# Altium PCB MINI-STM32.PcbDoc
Units mil, origin at the board's own origin, x right, y up, seen from the top; angles counter-clockwise.
Board outline 3690.03 x 4351.02 mil, 2 copper layers (Top Layer, Bottom Layer); 15 components, 64 nets, 193 pads, 0 vias.
Unrouted connection lines stored in the file: 118.
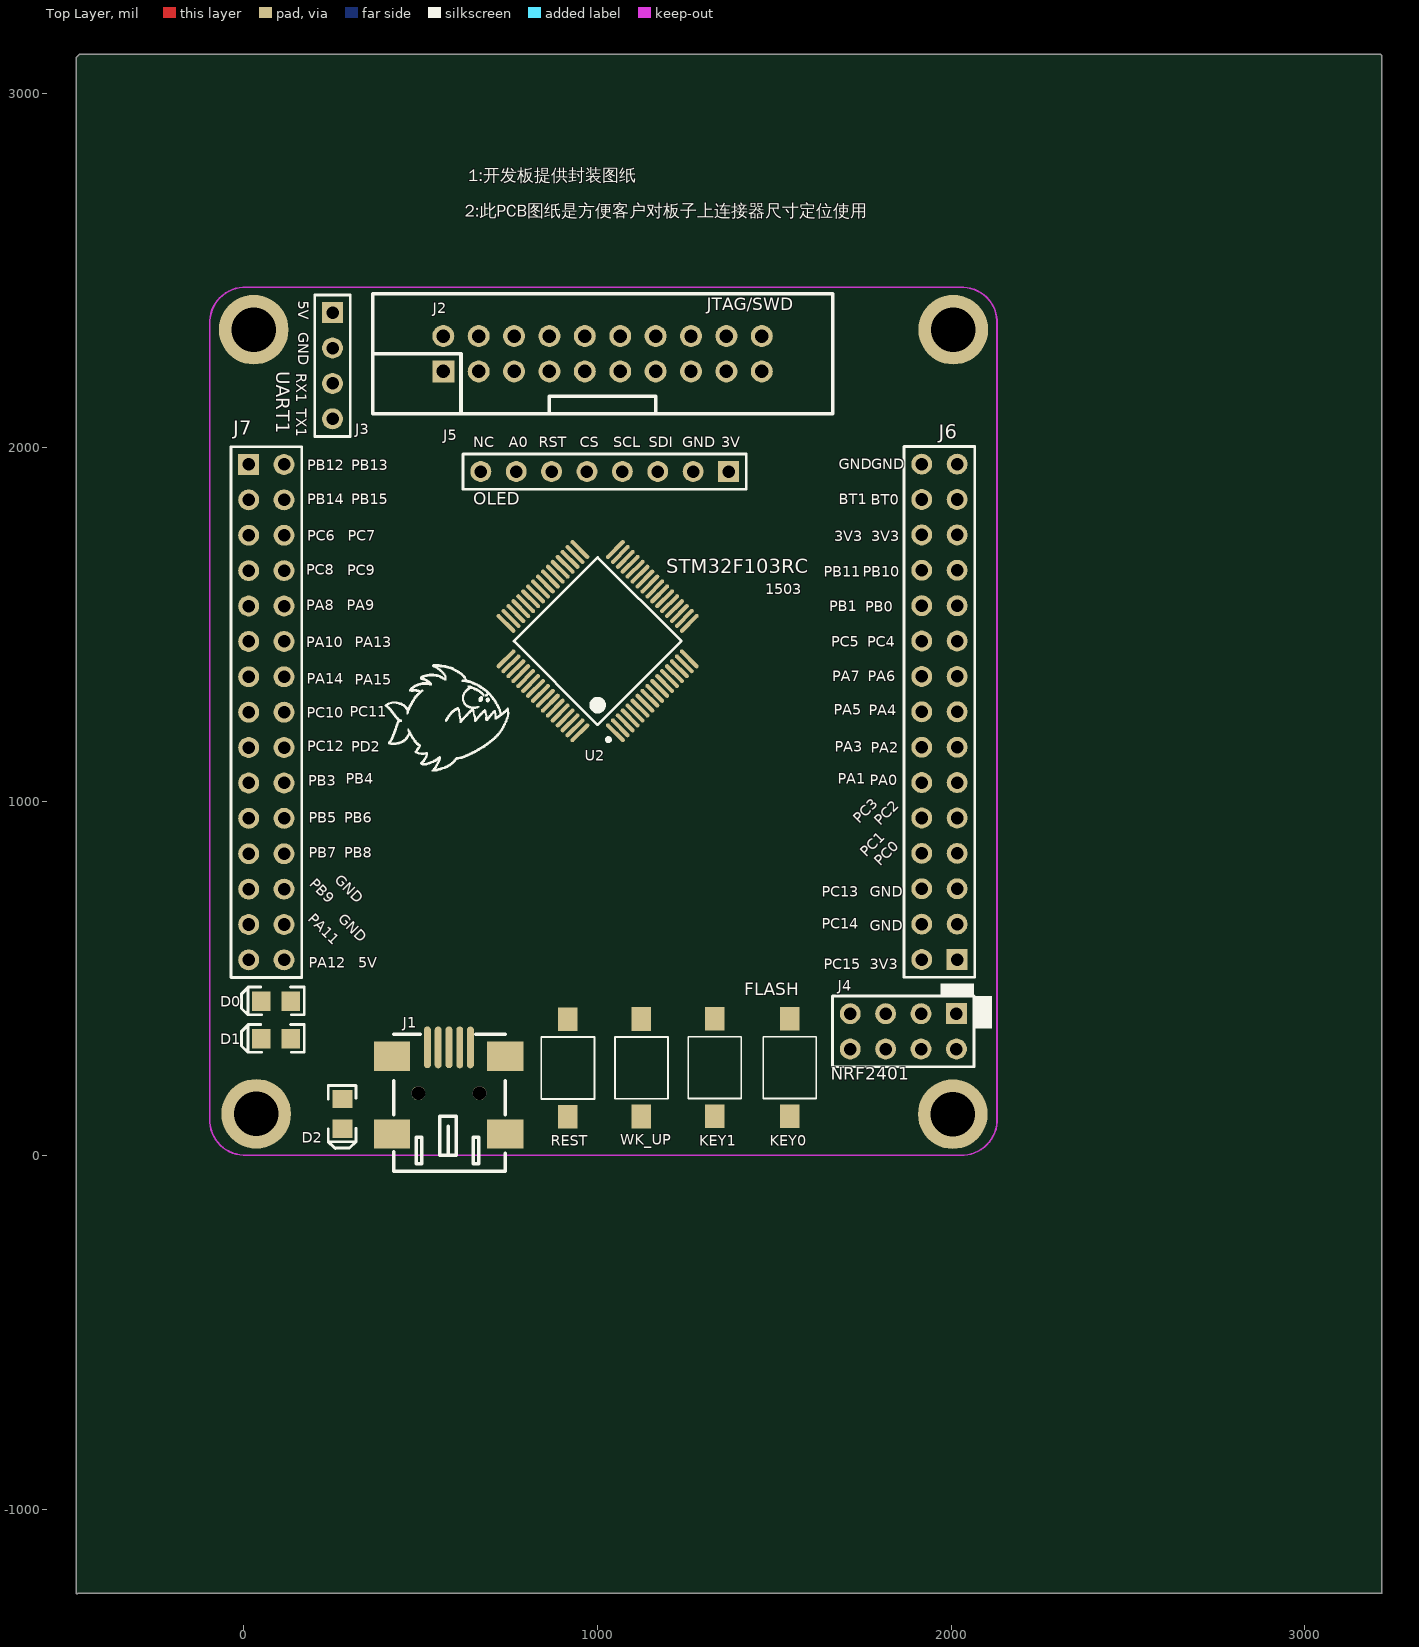
[diagram p0: Top Layer view]
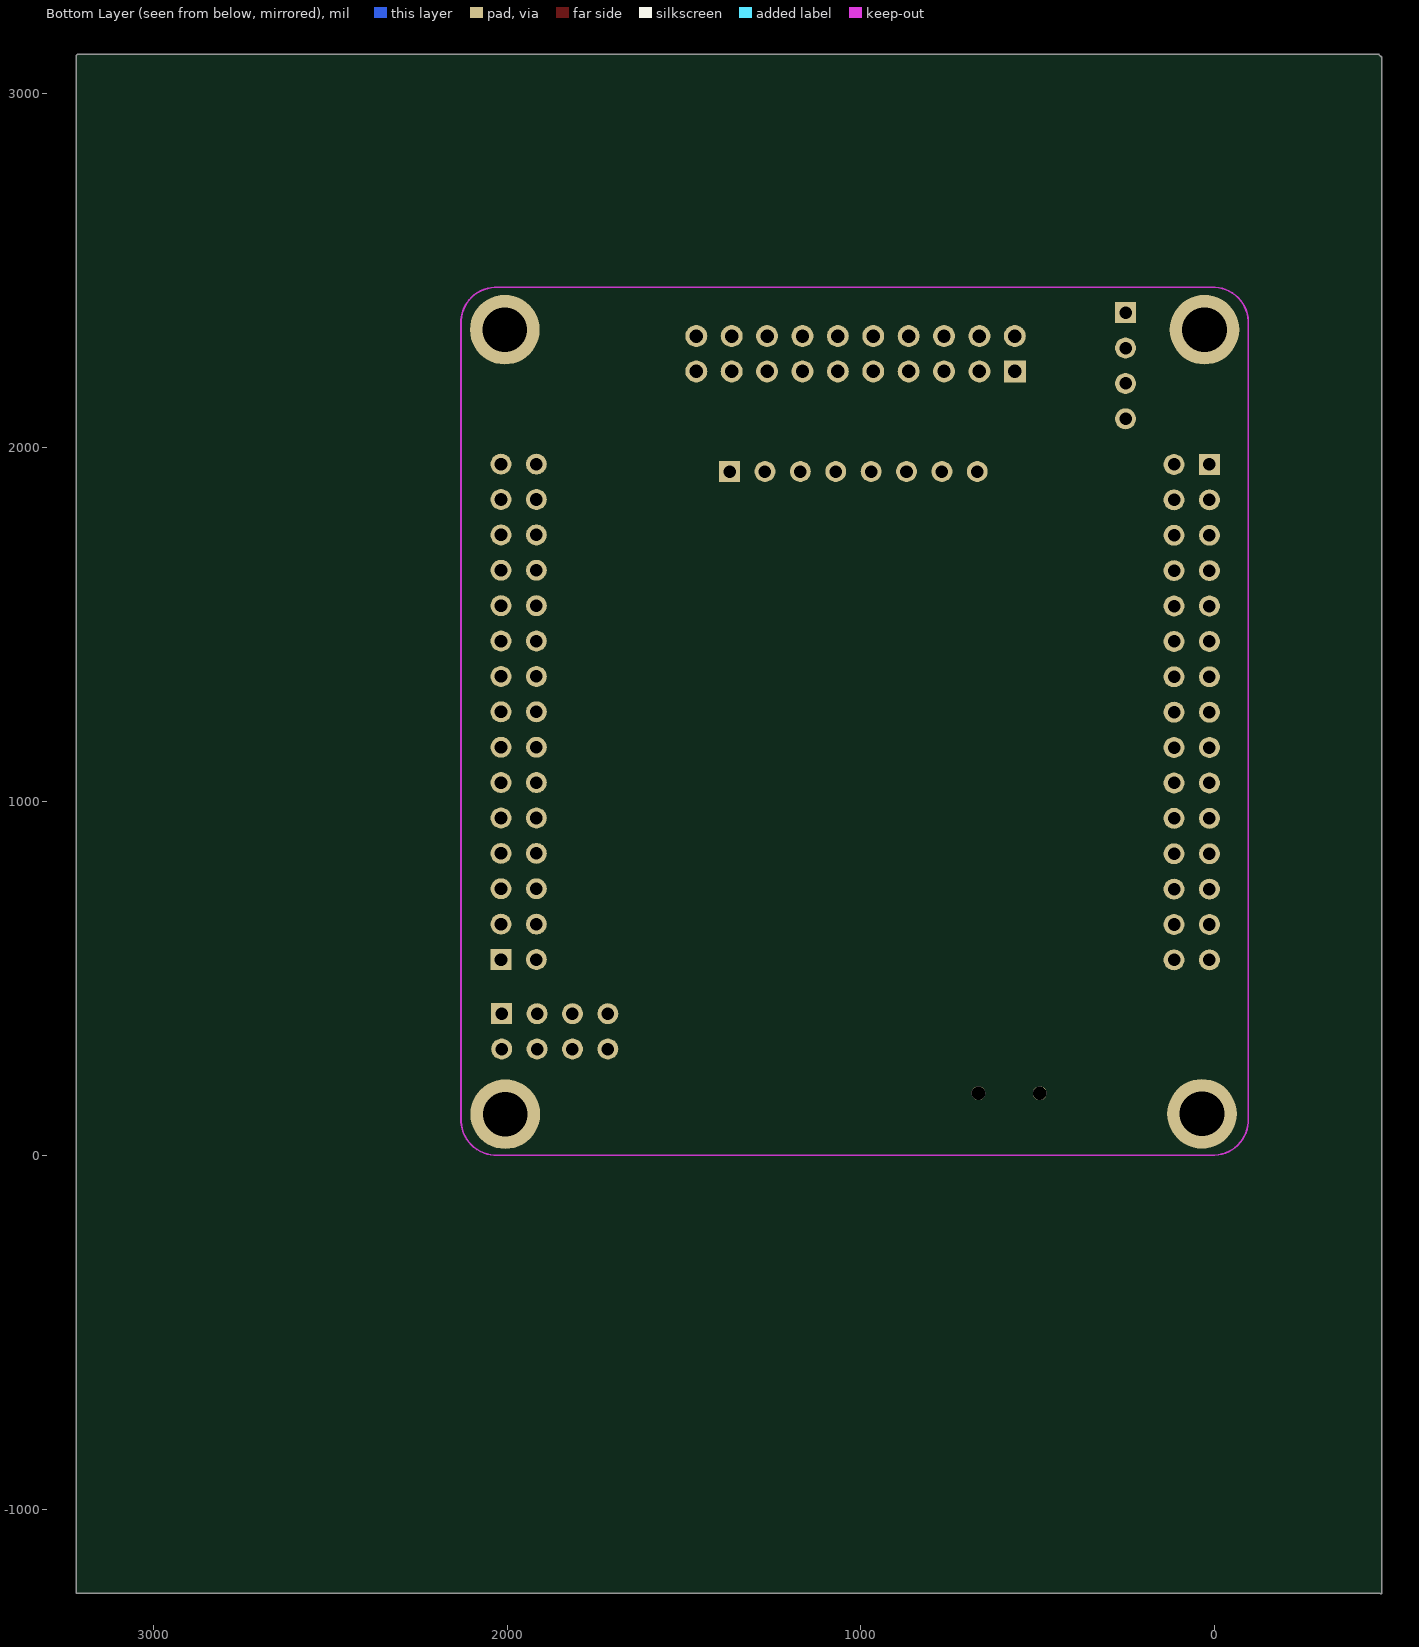
[diagram p1: Bottom Layer view, seen from below]

## Layer stack, top to bottom
Top Solder: solder mask 0.4, Solder Resist, Dk 3.5
Top Layer: signal copper 1.4
Dielectric1: core 12.6, FR-4, Dk 4.8
Bottom Layer: signal copper 1.4
Bottom Solder: solder mask 0.4, Solder Resist, Dk 3.5

## Board outline
-472.52,-1237 -472.52,3101 cw(c-470,3101) -471.78,3102.78 -463.78,3110.78 cw(c-462,3109) -462,3111.52 3212,3111.52 cw(c3212,3109) 3213.78,3110.78 3216.78,3107.78 cw(c3215,3106) 3217.51,3106 3217.51,-1236 cw(c3215,-1236) 3215,-1238.51 -467.99,-1238.51 cw(c-470,-1237)

## Design rules (kind name [scope] priority, off if disabled: settings)
Clearance [All] p1: gap=16
ComponentClearance [All] p1: gap=1 collisioncheckmode=3 verticalgap=1 showdistances=FALSE
FabricationTestpoint [(IsPad And (OnTopLayer Or OnBottomLayer))] p1: side=3 testpointundercomponent=TRUE minsize=40 maxsize=100 preferedsize=60 minholesize=0 maxholesize=40 preferedholesize=32 testpointgrid=1 allowsidetop=TRUE allowsidebottom=TRUE usegrid=TRUE gridtolerance=0.01
MinimumSolderMaskSliver [All] p1: minsoldermaskwidth=1
PlaneConnect [All] p1: planeconnectstyle=Relief reliefexpansion=10 reliefentries=4 reliefconductorwidth=10 reliefairgap=10
PolygonConnect PolygonConnect_1 [(InPadClass('All Pads'))] p1: connectstyle=Relief reliefconductorwidth=10 reliefentries=4 polygonreliefangle="90 Angle" airgapwidth=10
PolygonConnect [All] p2: connectstyle=Direct reliefconductorwidth=10 reliefentries=4 polygonreliefangle="90 Angle" airgapwidth=10
RoutingVias [All] p1: holewidth=12 width=24 viastyle="Through Hole" minholewidth=12 minwidth=24 maxholewidth=12 maxwidth=24
SilkToSilkClearance [All] p1: silktosilkclearance=1
SilkToSolderMaskClearance SilkscreenOverComponentPads [IsPad] p1: minsilkscreentomaskgap=1 clearancetoexposedcopper=TRUE
SolderMaskExpansion [All] p1: expansion=4
UnpouredPolygon [All] p1: allowunpoured=FALSE
Width [All] p1: maxlimit=40 minlimit=8 preferedwidth=8 minimp=50.000000 maximp=50.000000 favimp=50.000000
23 further rules are at their usual default settings.

## Components (designator, comment, footprint, x,y, rotation, side; value= is the part's Value field where it differs from the comment)
D0 "DS0" LED0805 50,440 r180 top
D1 "DS1" LED0805 50.07,334 r180 top
D2 "PWR" LED0805 275,75 r270 top
J1 "usb" mini_USB 520,305 r180 top (schematic designator USB)
J2 "10X2H" IDC20 565,2215 r0 top (schematic designator JTAG)
J3 "Header 4" HDR1X4 252,2381 r270 top (schematic designator P5)
J4 "NRF2401" HDR2X4 2015,400 r180 top (schematic designator U3)
J5 "OLED" HDR1X8 1371,1932 r180 top (schematic designator U4)
J6 "Header 15X2" IDE15X2_2.54 2017,553 r90 top
J7 "Header 15X2" IDE15X2_2.54 15,1952 r270 top
KEY0 "SW-PB" SW-SPST 1544,110 r90 top
KEY1 "SW-PB" SW-SPST 1332,110 r90 top
REST "" SW-SPST 917,384 r270 top
U2 "STM32F103RCT6" LQFP64 1051.17,1193.9 r135 top (schematic designator U1)
WK_UP "WK_UP" SW-SPST 1125,109.41 r90 top

## Footprints (in the part's own frame and the unit in brackets; to place one, negate y for a bottom-side part, rotate by r counter-clockwise, add the part's x,y. Pads: shape width x height; smd on the part's side, far side on the other; paste and mask are expansions set on the pad)
HDR1X4 [mm] "Connector; Header; 4 Position"
  rect 1.5x1.5 hole 0.9: 1(0,0)
  round 1.5 hole 0.9: 2(2.54,0) 3(5.08,0) 4(7.62,0)
  silkscreen extent -1.27,-1.27 8.89,1.27
HDR1X8 [mm] "Connector; Header; 8 Position"
  rect 1.5x1.5 hole 0.9: 1(0,0)
  round 1.5 hole 0.9: 2(2.54,0) 3(5.08,0) 4(7.62,0) 5(10.16,0) 6(12.7,0) 7(15.24,0) 8(17.78,0)
  silkscreen extent -1.27,-1.27 19.05,1.27
HDR2X4 [mm] "Connector; Header; 4x2 Position"
  rect 1.5x1.5 hole 0.9: 1(0,0)
  round 1.5 hole 0.9: 2(0,2.54) 3(2.54,0) 4(2.54,2.54) 5(5.08,0) 6(5.08,2.54) 7(7.62,0) 8(7.62,2.54)
  silkscreen extent -1.27,-1.27 8.89,3.81
IDC20 [mil]
  rect 62x62 hole 38: 1(0,0)
  round 62 hole 38: 2(0,100) 3(100,0) 4(100,100) 5(200,0) 6(200,100) 7(300,0) 8(300,100) 9(400,0) 10(400,100) 11(500,0) 12(500,100) 13(600,0) 14(600,100) 15(700,0) 16(700,100) 17(800,0) 18(800,100) 19(900,0) 20(900,100)
  silkscreen extent -200,-120 1100,220
IDE15X2_2.54 [mm]
  rect 1.5x1.5 hole 0.9: 1(0,0)
  round 1.5 hole 0.9: 2(0,2.54) 3(2.54,0) 4(2.54,2.54) 5(5.08,0) 6(5.08,2.54) 7(7.62,0) 8(7.62,2.54) 9(10.16,0) 10(10.16,2.54) 11(12.7,0) 12(12.7,2.54) 13(15.24,0) 14(15.24,2.54) 15(17.78,0) 16(17.78,2.54) 17(20.32,0) 18(20.32,2.54) 19(22.86,0) 20(22.86,2.54) 21(25.4,0) 22(25.4,2.54) 23(27.94,0) 24(27.94,2.54) 25(30.48,0) 26(30.48,2.54) 27(33.02,0) 28(33.02,2.54) 29(35.56,0) 30(35.56,2.54)
  silkscreen extent -1.27,-1.27 36.83,3.81
LED0805 [mil]
  rect 52x56 smd: 1(-84,5) 2(0,5)
  silkscreen extent -122,-35 56,43
LQFP64 [mm] "SOT-223/SC-73; 4 Leads; Body 6.7 x 7.3 mm, inc. leads (LxW max)"
  oval 1.8x0.3 smd: 1(0,0) 2(0,-0.5) 3(0,-1) 4(0,-1.5) 5(0,-2) 6(0,-2.5) 7(0,-3) 8(0,-3.5) 9(0,-4) 10(0,-4.5) 11(0,-5) 12(0,-5.5) 13(0,-6) 14(0,-6.5) 15(0,-7) 16(0,-7.5) 33(11.1,-7.5) 34(11.1,-7) 35(11.1,-6.5) 36(11.1,-6) 37(11.1,-5.5) 38(11.1,-5) 39(11.1,-4.5) 40(11.1,-4) 41(11.1,-3.5) 42(11.1,-3) 43(11.1,-2.5) 44(11.1,-2) 45(11.1,-1.5) 46(11.1,-1) 47(11.1,-0.5) 48(11.1,0)
  oval 0.3x1.8 smd: 17(1.8,-9.3) 18(2.3,-9.3) 19(2.8,-9.3) 20(3.3,-9.3) 21(3.8,-9.3) 22(4.3,-9.3) 23(4.8,-9.3) 24(5.3,-9.3) 25(5.8,-9.3) 26(6.3,-9.3) 27(6.8,-9.3) 28(7.3,-9.3) 29(7.8,-9.3) 30(8.3,-9.3) 31(8.8,-9.3) 32(9.3,-9.3) 49(9.3,1.8) 50(8.8,1.8) 51(8.3,1.8) 52(7.8,1.8) 53(7.3,1.8) 54(6.8,1.8) 55(6.3,1.8) 56(5.8,1.8) 57(5.3,1.8) 58(4.8,1.8) 59(4.3,1.8) 60(3.8,1.8) 61(3.3,1.8) 62(2.8,1.8) 63(2.3,1.8) 64(1.8,1.8)
  silkscreen extent -0.12,-8 9.8,0.82, body extent 0.55,-8.75 10.55,1.25, height 1.6
mini_USB [mm]
  oval 0.5x3 smd: 1(0,0) 2(-0.775,0.009) 3(-1.549,0) 4(-2.324,0.009) 5(-3.086,0.009)
  rect 2.6x2.1 smd: ""(-5.588,6.223) ""(-5.588,0.635) ""(2.54,6.223) ""(2.54,0.635)
  round 1 hole 1: ""(-3.749,3.299) ""(0.651,3.299)
  silkscreen extent -5.59,-0.94 2.41,8.89
SW-SPST [mm]
  rect 1.7x1.4 smd: 1(0,0) 2(7,0)
  silkscreen extent 1.27,-1.91 5.71,1.91

## Part data
D0 D1 D2: library part LED
J2: library part "Header 10X2H", "Header, 10-Pin, Dual row, Right Angle"
J3: "Header, 4-Pin"
J4: library part "HEADER 8", "8 Pin Header"
J5: library part "Header 8", "Header, 8-Pin"
J6 J7: "Header, 15-Pin, Dual row"
REST WK_UP: library part SW-PB
U2: library part STM32F103RBT6

## Free pads (board coordinates)
  round 196.85 hole 125.98: ""(29,2333) ""(36,117) ""(2005,116) ""(2006,2333)

## Nets (pads, with @x,y where several pads share a name; then routed paths per layer and width w, separated by ;. In a path a pad name is that pad's centre, name@x,y a point inside that pad or via, vN(x,y) a via of type N, cw(c..) or ccw(c..) an arc to the next point about the centre after c; other vN are vias at no path point)
A0: J5.7 J7.5 U2.37
BOOT0: U2.60
BOOT1: U2.28
CS: J5.5 J7.1 U2.33
F_CS: J6.13 U2.16
GND: D2.2 J1.5 J1.@420,60 J1.@420,280 J1.@740,60 J1.@740,280 J2.4 J2.6 J2.8 J2.10 J2.12 J2.14 J2.16 J2.18 J2.20 J3.2 J4.1 J5.2 J6.3 J6.5 J6.29 J6.30 J7.26 J7.28 KEY0.1 KEY1.1 REST.2 U2.12 U2.18 U2.31 U2.47 U2.63
JTCK/SWCLK: J2.9 J7.13 U2.49
JTDI/PA15: J2.5 J7.14 U2.50
JTDO/PB3: J2.13 J7.19 U2.55
JTMS/SWDIO: J2.7 J7.12 U2.46
JTRST/PB4: J2.3 J7.20 U2.56
KEY0: J6.8 KEY0.2 U2.9
KEY1: J6.6 KEY1.2 U2.2
LED0: D0.2 J7.9 U2.41
LED1: D1.2 J7.18 U2.54
NetD0_1: D0.1
NetD1_1: D1.1
NetD2_1: D2.1
NetF1_2: J1.1
NetJ1_2: J1.2
NetJ1_3: J1.3
NetJ6_27: J6.27
NetJ6_28: J6.28
NRF_CE: J4.3 J6.15 U2.20
NRF_CS: J4.4 J6.19 U2.24
NRF_IRQ: J4.8 J6.20 U2.25
OSC_IN1: J6.4 U2.3
OSC_IN2: U2.5
OSC_OUT1: J6.2 U2.4
OSC_OUT2: U2.6
PA0: J6.11 U2.14 WK_UP.2
PA1: J6.12 U2.15
PA3: J6.14 U2.17
PA5: J4.5 J6.16 U2.21
PA6: J4.7 J6.17 U2.22
PA7: J4.6 J6.18 U2.23
PA9: J3.4 J7.10 U2.42
PA10: J3.3 J7.11 U2.43
PA11: J7.27 U2.44
PA12: J7.29 U2.45
PB0: J6.21 U2.26
PB1: J6.22 U2.27
PB5: J7.21 U2.57
PB6: J7.22 U2.58
PB7: J7.23 U2.59
PB8: J7.24 U2.61
PB9: J7.25 U2.62
PB10: J6.23 U2.29
PB11: J6.24 U2.30
PB13: J5.4 J7.2 U2.34
PB14: J7.3 U2.35
PB15: J5.3 J7.4 U2.36
PC0: J6.7 U2.8
PC2: J6.9 U2.10
PC3: J6.10 U2.11
PC7: J7.6 U2.38
PC8: J7.7 U2.39
PC9: J7.8 U2.40
PC10: J7.15 U2.51
PC11: J7.16 U2.52
PC12: J7.17 U2.53
RESET: J2.15 J5.6 REST.1 U2.7
VCC3.3: J2.1 J2.2 J4.2 J5.1 J6.1 J6.25 J6.26 U2.1 U2.13 U2.19 U2.32 U2.48 U2.64 WK_UP.1
VCC5: J3.1 J7.30
pads on no net: J1.4 J1.@494.39,175.13 J1.@667.62,175.13 J2.11 J2.17 J2.19 J5.8

## Keep-outs
Keep-Out Layer:
  lines w5: -95,103.73 -95,2357.85 ; -94.84,103.73 ccw(c4.45,99.29) 0,0 2026,0 ccw(c2030.44,99.29) 2129.73,94.84 ; -94.73,2357.85 cw(c4.56,2353.41) 9,2452.69 2035,2452.69 cw(c2030.55,2353.41) 2129.84,2348.96 ; 2130,94.84 2130,2348.96

## Silkscreen, mask and mechanical layers (free items; w line width, h text height)
Top Overlay:
  drawing of 1164 lines, arcs and shapes, not listed
  text "1:开发板提供封装图纸" at 635,2740 h60
  text "2:此PCB图纸是方便客户对板子上连接器尺寸定位使用" at 625,2640 h60
  text "5V" at 155,2415 h30 r270
  text "JTAG/SWD" at 1310,2375 h60
  text "GND" at 155,2325 h30 r270
  text "UART1" at 80,2215 h66 r270
  text "RX1" at 150,2210 h30 r270
  text "TX1" at 150,2110 h30 r270
  text "NC" at 650,2000 h30
  text "A0" at 750,2000 h30
  text "RST" at 835,2000 h30
  text "CS" at 950,2000 h30
  text "SCL" at 1045,2000 h30
  text "SDI" at 1145,2000 h30
  text "GND" at 1240,2000 h30
  text "3V" at 1350,2000 h30
  text "GND" at 1682,1939 h30
  text "GND" at 1774,1939 h30
  text "PB12" at 180,1935 h30
  text "PB13" at 305,1935 h30
  text "PB14" at 180,1840 h30
  text "PB15" at 305,1840 h30
  text "BT1" at 1683,1839 h30
  text "BT0" at 1773,1838 h30
  text "OLED" at 650,1825 h60
  text "PC6" at 180,1736 h30
  text "PC7" at 295,1736 h30
  text "3V3" at 1670,1735 h30
  text "3V3" at 1775,1735 h30
  text "STM32F103RC" at 1195,1645 h40
  text "PC8" at 178,1640 h30
  text "PC9" at 293,1639 h30
  text "PB11" at 1640,1635 h30
  text "PB10" at 1750,1635 h30
  text "1503" at 1475,1585 h30
  text "PA8" at 177,1540 h30
  text "PA9" at 292,1540 h30
  text "PB1" at 1655,1537 h30
  text "PB0" at 1758,1536 h30
  text "PC5" at 1662,1437 h30
  text "PC4" at 1763,1437 h30
  text "PA10" at 177,1436 h30
  text "PA13" at 315,1435 h30
  text "PA7" at 1664,1339 h30
  text "PA6" at 1764,1339 h30
  text "PA14" at 179,1333 h30
  text "PA15" at 315,1330 h30
  text "PA5" at 1668,1245 h30
  text "PA4" at 1767,1243 h30
  text "PC11" at 300,1239 h30
  text "PC10" at 179,1236 h30
  text "PC12" at 180,1141 h30
  text "PD2" at 305,1140 h30
  text "PA3" at 1671,1140 h30
  text "PA2" at 1773,1138 h30
  text "PB4" at 290,1050 h30
  text "PA1" at 1680,1050 h30
  text "PA0" at 1770,1045 h30
  text "PB3" at 184,1044 h30
  text "PB5" at 185,940 h30
  text "PB6" at 285,940 h30
  text "PC3" at 1740,935 h30 r45
  text "PC2" at 1800,930 h30 r45
  text "PB7" at 185,840 h30
  text "PB8" at 285,840 h30
  text "PC1" at 1760,840 h30 r45
  text "PC0" at 1800,815 h30 r45
  text "GND" at 255,775 h30 r315
  text "PB9" at 185,765 h30 r315
  text "PC13" at 1635,730 h30
  text "GND" at 1770,730 h30
  text "PA11" at 180,665 h30 r315
  text "GND" at 265,665 h30 r315
  text "PC14" at 1635,640 h30
  text "GND" at 1770,635 h30
  text "PA12" at 185,530 h30
  text "5V" at 325,530 h30
  text "PC15" at 1640,525 h30
  text "3V3" at 1770,525 h30
  text "FLASH" at 1415,440 h60
  text "NRF2401" at 1660,200 h60

## Dimensions
2035,2452.69 to 2026,0 on Top Overlay
-95,103.73 to 2130,94.84 on Top Overlay